# Altium PCB driver_io.PcbDoc (part 2 of 2)
Units mil, origin at the board's own origin, x right, y up, seen from the top; angles counter-clockwise.
Board outline 6000 x 4000 mil, 4 copper layers (Top Layer, Int1 (GND), Int2 (PWR), Bottom Layer), stack 53.912 mil thick; 159 components, 84 nets, 498 pads, 64 vias.
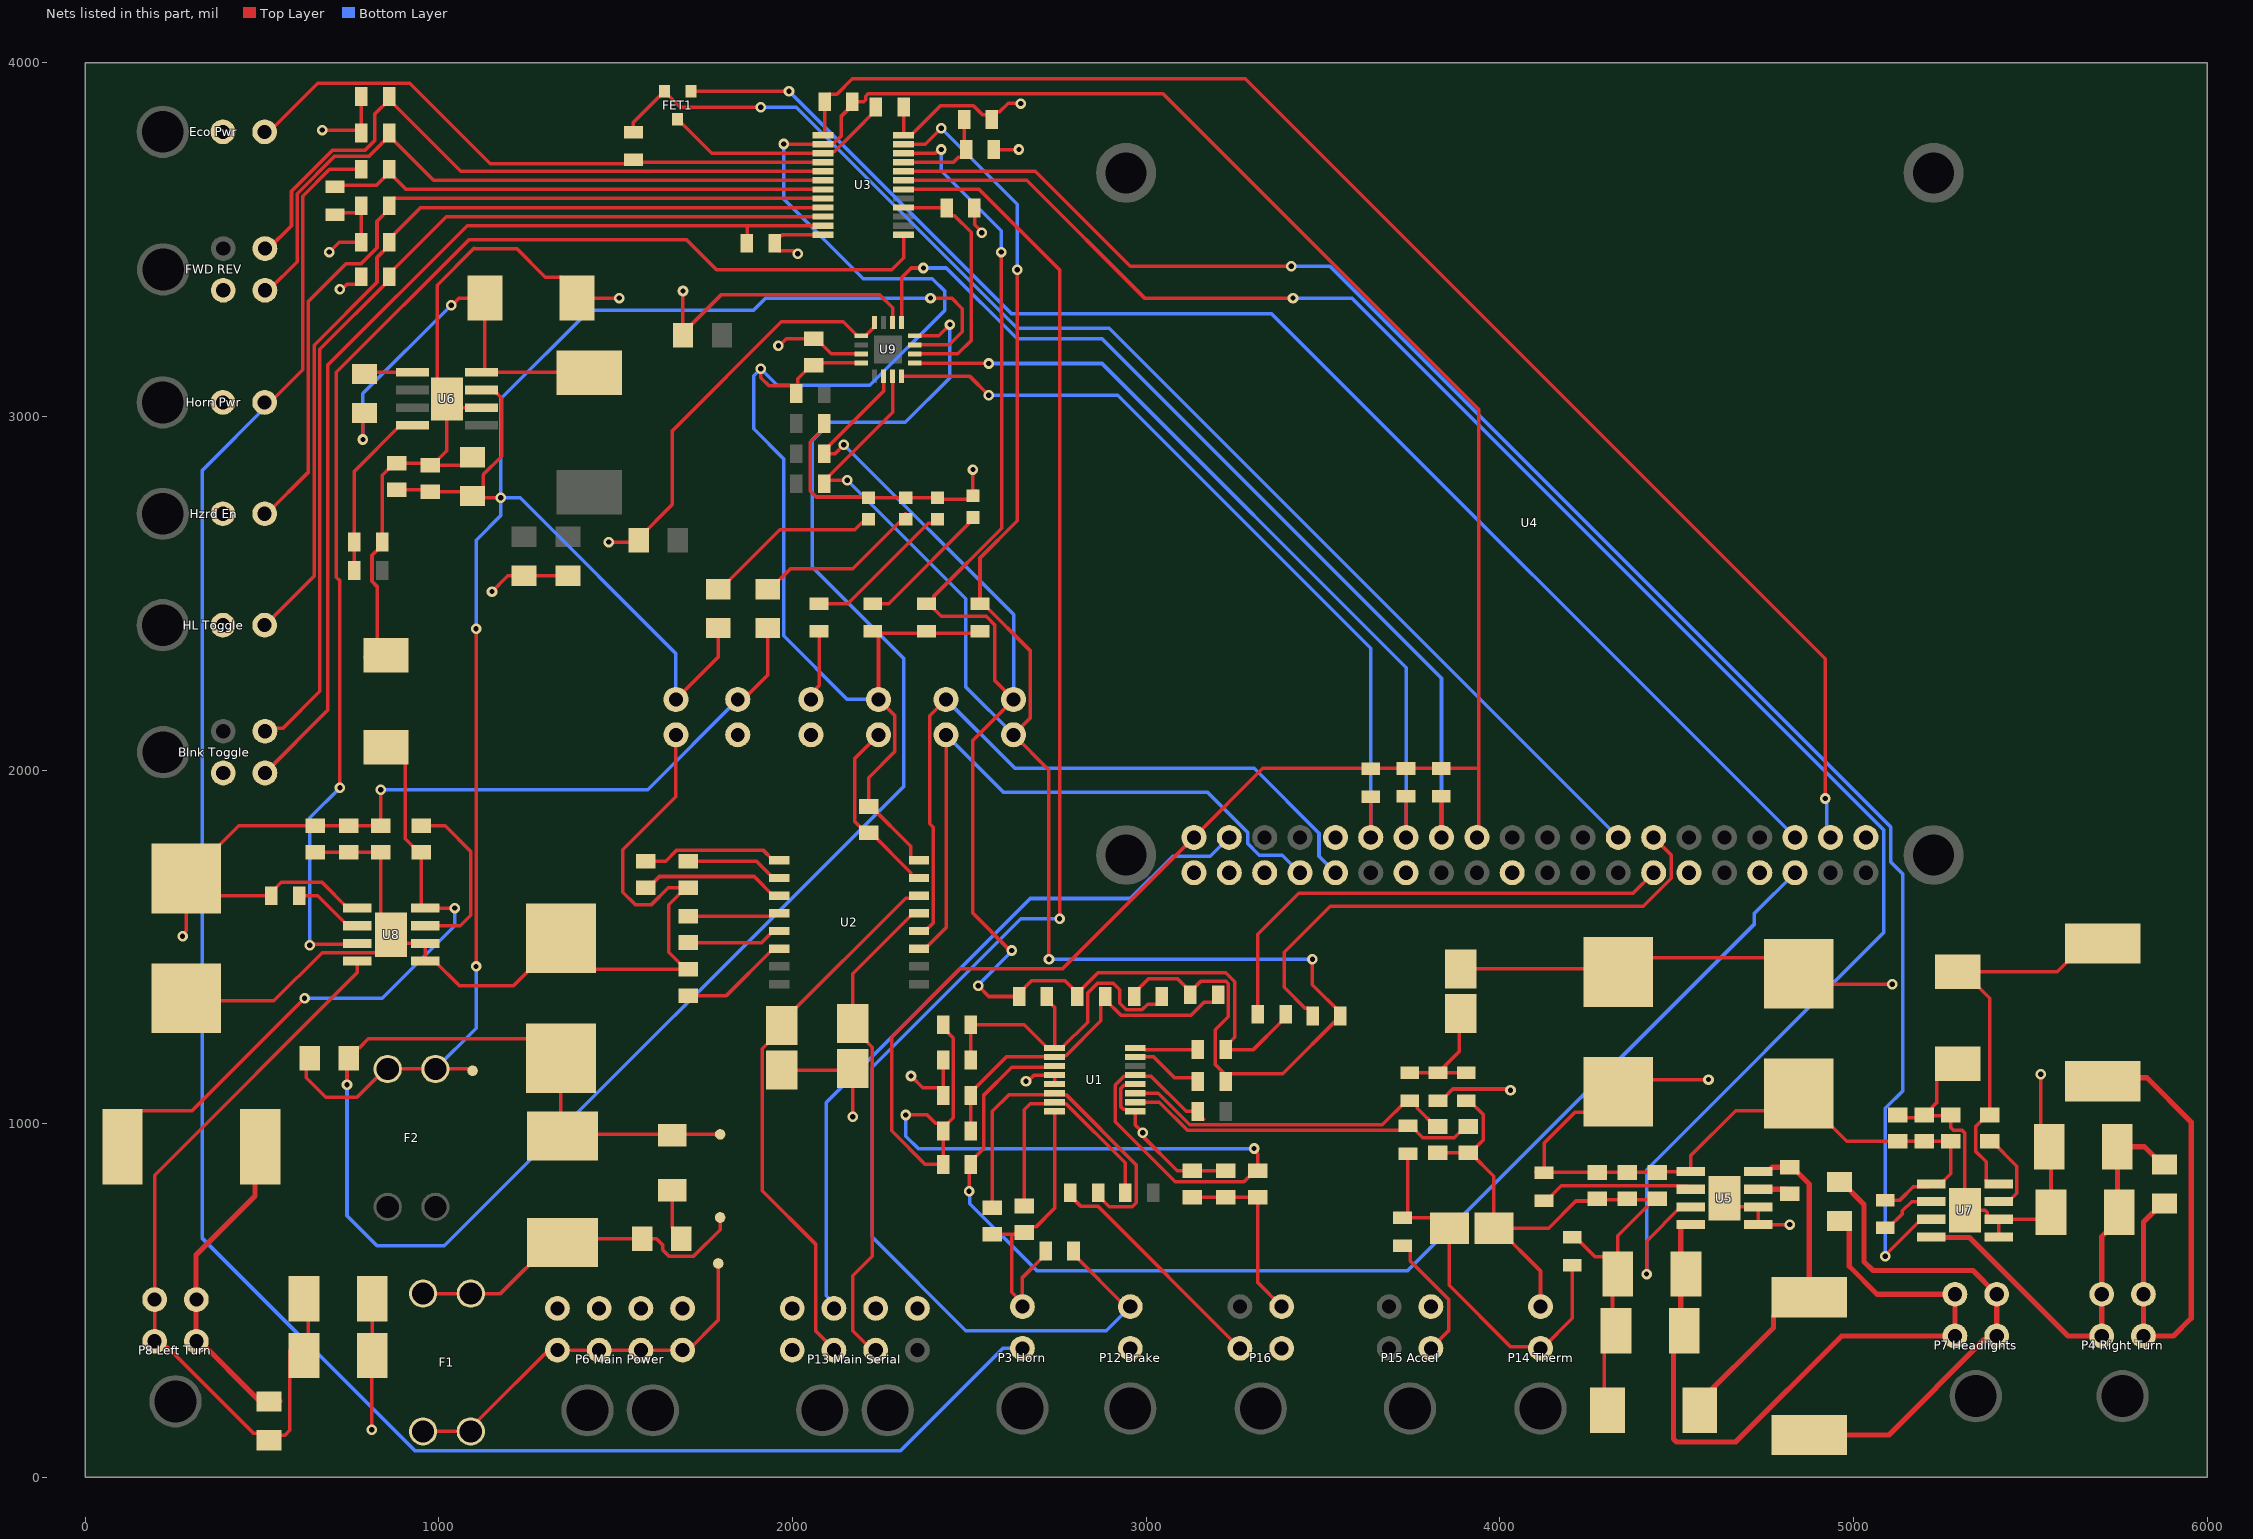
[diagram p4: the nets of this part, all layers, seen from the top]

## Via types
v1: diameter 30, hole 15, Top Layer to Bottom Layer, 64 vias

## Nets (pads, with @x,y where several pads share a name; then routed paths per layer and width w, separated by ;. In a path a pad name is that pad's centre, name@x,y a point inside that pad or via, vN(x,y) a via of type N, cw(c..) or ccw(c..) an arc to the next point about the centre after c; other vN are vias at no path point) (continued)
ADC_RST: R12.2 U1.3 U4.36 | length 3454.9
  Top Layer w10: v1(2499.12,809.12) 2499.12,879.75 R12.2@2504.37,885 2504.37,893.86 2540,929.49 2540,1080 2619.53,1159.53 2736.97,1159.53 U1.3@2740.83,1163.39
  Bottom Layer w10: v1(2499.12,809.12) 2500.89,807.35 2500.89,774.12 2690,585 3740,585 4720,1565 4720,1595 U4.36@4835,1710
BOOT: C15.1 U6.1 | length 137
  Top Layer w10: C15.1@790,3120.12 794.88,3125 U6.1@925,3125
Brk_Sig: P16.2 R13.1 | length 666.8
  Top Layer w10: R13.1@2785.63,805 2785.63,796.14 2814.35,767.43 2862.57,767.43 P16.2@3265,365
Brk_Status: "P12 Brake.2" R29.2 U3.18 | length 4652.6
  Top Layer w10: U3.18@2314.17,3642.2 2527.67,3642.2 2755,3414.87 v1(2755,1580) ; R29.2@2794.37,640 2794.37,631.14 2942.51,483 2955,483
  Bottom Layer w10: v1(2755,1580) 2645,1580 2225,1160 2225,680 2490,415 2887,415 2955,483
Bus_PreShunt: C6.1 L1.2 L2.2 R16.1 TP1.1 U9.12 | length 5729.7
  Top Layer w10: v1(740,1110) 740,1179.88 R16.1@745.12,1185 745.12,1190.91 768.66,1214.45 774.57,1214.45 800.12,1240 1290.71,1240 C6.1@1345,1185.71 L2.2@1345,970.59 ; L2.2@1350,965.59 L2.2@1345,970.59 ; TP1.1@1795,970 1662.24,970 L1.2@1660,967.76 1657.17,970.59 L2.2@1345,970.59 ; U9.12@2345.79,3228.39 2413.39,3228.39 v1(2445,3260)
  Bottom Layer w10: v1(740,1110) 740,740 825,655 1015,655 2315,1955 2315,2315 2055,2575 2055,2932.4 2106.3,2983.7 2318.7,2983.7 2445,3110 v1(2445,3260)
Eco_En: "Eco Pwr.2" R27.2 U3.4 | length 1734.3
  Top Layer w10: 520,3805 657.57,3942.57 917.43,3942.57 1145,3715 1539.37,3715 R27.2@1550,3725.63 ; R27.2@1544.37,3725 1550,3730.63 1561.65,3718.98 U3.4@2085.83,3718.98
Ext_Therm: "P14 Therm.1" D4.1 R41.1 R45.1 TH2.2 | length 1084.7
  Top Layer w10: R41.1@3725,734.37 R41.1@3727.28,734.37 ; R45.1@3740,915.63 3740,747.09 R41.1@3727.28,734.37 ; 4110,370 4030,370 3857.01,542.99 D4.1@3857.01,705 3827.64,734.37 R41.1@3727.28,734.37 ; 4122.5,367.5 4205,450 TH2.2@4205,600.63
F_HL_LED+: "P7 Headlights.1" "P7 Headlights.3" C26.1 L4.2 | length 1435.2
  Top Layer w15: L4.2@4875,120.12 5100.12,120.12 5369.48,389.48 5394.48,389.48 5405,400 5405,518 5338,585 5055,585 5030,610 5030,772.01 4966.89,835.12 C26.1@4960,835.12
F_HL_LED-: "P7 Headlights.2" "P7 Headlights.4" C26.2 R56.2 R57.2 U5.4 | length 2155.2
  Top Layer w15: U5.4@4539.33,715 4519.45,715 4511.46,707.01 4511.46,575 4511.46,415 4490.91,394.45 4490.91,108.79 4499.69,100 4666.75,100 4966.75,400 5287,400 5287,518 5067,518 4987.93,597.07 4987.93,703.84 4966.89,724.88 C26.2@4960,724.88
F_HL_LED_EN: U3.19 U5.3 | length 5323.2
  Top Layer w10: U3.19@2314.17,3667.8 2662.2,3667.8 2995,3335 v1(3415,3335) ; v1(4415,575) 4415,668.03 4511.97,765 U5.3@4539.33,765
  Bottom Layer w10: v1(3415,3335) 3581.28,3335 5085.4,1830.88 5085.4,1540.84 4415,870.44 v1(4415,575)
FL_TS_LED+: "P8 Left Turn.1" "P8 Left Turn.3" C38.1 L6.2 | length 818.8
  Top Layer w15: L6.2@479.88,845 479.88,795.79 313,628.91 313,513 313,395 313.86,395 C38.1@488.31,220.55 ; C38.1@497.88,215.12 C38.1@550,215.12
FL_TS_LED-: "P8 Left Turn.2" "P8 Left Turn.4" C38.2 R62.2 R63.2 U8.4 | length 2241.8
  Top Layer w10: 190,495 196,501 ; C38.2@520,104.88 534.69,119.58 564.58,119.58 578.54,133.54 R62.2@578.54,360 ; C38.2@526.89,119.88 522.2,124.58 475.42,124.58 230.86,369.14 228.09,369.14 212.24,385 196,385 196,501 ; R62.2@618.54,345 630,356.46 630,510 625,505 R63.2@618.54,505 ; U8.4@769.33,1460 769.33,1428 196,854.67 196,503 196,501
FL_TS_LED_EN: U3.13 U8.3 | length 3669.7
  Top Layer w10: v1(635,1505) 637.5,1507.5 766.83,1507.5 U8.3@769.33,1510 ; v1(720,1950) 720,2535.21 710,2545.21 710,3125 1085,3500 1700,3500 1785,3415 2280,3415 2314.17,3449.17 U3.13@2314.17,3514.25
  Bottom Layer w10: v1(635,1505) 635,1865 v1(720,1950)
FR_TS_LED+: "P4 Right Turn.1" "P4 Right Turn.3" C32.1 L5.2 | length 1416.3
  Top Layer w15: L5.2@5705,1130.12 5829.88,1130.12 5955,1005 5955,450 5905,400 5820,400 5820,518 5820,721.77 5873.11,774.88 C32.1@5880,774.88
FR_TS_LED-: "P4 Right Turn.2" "P4 Right Turn.4" C32.2 R59.2 R61.2 U7.4 | length 1311.2
  Top Layer w15: U7.4@5219.33,680 5220.82,678.51 5328.4,678.51 5606.9,400 5702,400 5702,518 5702,681.31 5734.22,713.52 5735.65,713.52 5751.46,729.33 R59.2@5751.46,750 5746.46,755 R61.2@5746.46,935 5823.23,935 5873.11,885.12 C32.2@5880,885.12
FR_TS_LED_EN: U3.20 U7.3 | length 4983.1
  Top Layer w10: U3.20@2314.17,3693.39 2686.61,3693.39 2955,3425 v1(3410,3425) ; v1(5090,625) 5090,628.03 5191.97,730 U7.3@5219.33,730
  Bottom Layer w10: v1(3410,3425) 3519.56,3425 5105.4,1839.16 5105.4,1740.41 5140,1705.81 5140,1093.92 5090,1043.92 v1(5090,625)
Frwd_State: "FWD REV.3" R26.1 U3.6 | length 1924
  Top Layer w10: 518,3357 599,3438 599,3630 705.57,3736.57 802.8,3736.57 R26.1@859.37,3793.14 ; R26.1@859.37,3802 R26.1@859.37,3793.14 ; U3.6@2085.83,3667.8 2077.8,3667.8 2075,3665 2072.2,3667.8 984.72,3667.8 R26.1@859.37,3793.14
GND: 3.3V.2 5V.2 12V.2 "Bus Filt.2" "Bus Filter.2" "MCU Pwr.2" "P3 Horn.2" "P6 Main Power.5" "P6 Main Power.6" "P6 Main Power.7" "P6 Main Power.8" "P13 Main Serial.4" "P13 Main Serial.5" "P13 Main Serial.6" "P14 Therm.2" "P15 Accel.3" C1.2 C2.2 C3.2 C4.2 C5.2 C6.2 C9.2 C10.2 C11.2 C12.2 C13.2 C14.2 C16.2 C17.2 C18.2 C19.2 C20.2 C21.2 C22.2 C23.2 C24.2 C27.2 C28.2 C29.2 C30.2 C33.2 C34.2 C35.2 C36.2 D1.1 D2.1 D3.1@1390.12,3335 D3.2@3890,1437.99 D4.2 D6.1 D7.1 D8.1 FET1.3 P16.3 R1.2 R8.2 R21.2 R22.2 R23.1 R24.2 R25.1 R26.2 R27.1 R28.2 R29.1 R31.2 R42.1 R52.1 R56.1 R57.1 R59.1 R61.1 R62.1 R63.1 TH1.1 TH2.1 U1.4 U1.5 U1.8 U2.15 U3.12 U4.6 U4.9 U4.14 U4.20 U4.25 U4.30 U4.34 U4.39 U5.5 U5.6 U5.9 U6.6 U6.9 U7.5 U7.6 U7.9 U8.5 U8.6 U8.9 U9.3 | length 19069.4
  Top Layer w10: C36.2@292.5,1347.5 533.33,1347.5 669.82,1483.99 824.72,1483.99 865,1524.27 U8.9@865,1535 ; C33.2@650,1767.6 C34.2@745,1767.6 C35.2@835,1767.6 835,1565 U8.9@865,1535 ; v1(670,3810) 772.63,3810 R26.2@780.63,3802 R28.2@780.63,3905 ; v1(690,3465) 718,3493 R23.1@780.63,3493 R25.1@780.63,3588.35 ; R31.2@697.28,3570.63 R31.2@706.14,3570.63 ; R31.2@697.28,3575.63 767.91,3575.63 R25.1@780.63,3588.35 ; v1(720,3360) 725.41,3360 738.84,3373.43 767.91,3373.43 780.63,3386.14 R24.2@780.63,3395 ; R25.1@780.63,3596 R25.1@780.63,3588.35 ; D8.1@789.88,2320 D8.1@810.65,2340.77 ; v1(810,135) 810,343.54 R62.1@811.46,345 R63.1@811.46,505 ; D8.1@850,2325.12 825,2350.12 825,2519.52 810.65,2533.87 810.65,2607.43 839.37,2636.14 R52.1@839.37,2645 839.37,2833.66 873.11,2867.4 C17.2@880,2867.4 C16.2@970,2867.4 ; C18.2@1095,2865.12 1092.28,2862.4 C16.2@975,2862.4 C16.2@970,2867.4 ; v1(1150,2505) 1194.88,2549.88 C20.2@1240,2549.88 C19.2@1365,2549.88 ; U6.6@1155,3030 1150,3025 U6.6@1120.01,3025 1047.5,3025 U6.9@1022.5,3050 ; v1(1510,3335) D3.1@1390.12,3335 1390.12,3349.76 1345.91,3393.98 1301.02,3393.98 1220,3475 1100,3475 1099.14,3475.86 995,3371.72 995,3077.5 U6.9@1022.5,3050 ; R27.1@1550,3804.37 1550,3831.77 1624.88,3906.65 1626.85,3906.65 FET1.3@1637.6,3917.4 ; FET1.3@1637.6,3919.37 FET1.3@1637.6,3917.4 ; 1670,2100 1670,1924.73 1520,1774.73 1520,1655 1555,1620 1601.19,1620 1648.78,1667.6 C9.2@1698.11,1667.6 ; C10.2@1705,1437.4 C10.2@1698.11,1437.4 ; C9.2@1705,1667.6 C9.2@1698.11,1667.6 ; v1(1910,3875) 1681.97,3875 1650.32,3906.65 1648.35,3906.65 FET1.3@1637.6,3917.4 ; v1(1960,3200) 1962.43,3200 1982.43,3220 C14.2@2060,3220 ; D1.1@1970,1152.01 2165,1152.01 D2.1@2170,1157.01 v1(2170,1020) ; v1(2015,3460) 2009.59,3460 2001.16,3468.43 1962.09,3468.43 1950.83,3479.68 1950.83,3500.32 1962.09,3511.57 1968.51,3511.57 1971.18,3514.25 U3.12@2085.83,3514.25 ; C14.2@2066.89,3220 2109.69,3177.2 U9.3@2194.21,3177.2 ; R42.1@2093.74,2980 2093.74,2971.14 2050,2927.4 2050,2789.52 2067.1,2772.43 2213.09,2772.43 2215,2770.51 2315,2770.51 2320,2765.51 2325,2770.51 5V.2@2410,2770.51 2414.49,2766.02 2510,2766.02 ; 3.3V.2@2243,2100 2176.44,2033.44 2176.44,1854.27 2208.11,1822.6 C11.2@2215,1822.6 2221.89,1822.6 2334.29,1710.2 2334.29,1701.81 2341.1,1695 U2.15@2357.83,1695 ; v1(2335,1135) 2368.43,1101.57 2412.91,1101.57 R8.2@2425.63,1088.86 ; R8.2@2425.63,1080 R8.2@2425.63,1088.86 ; R1.2@2425.63,1180 R8.2@2425.63,1088.86 ; 2510,2775.51 2510,2790 ; v1(2510,2850) 2510,2790 ; 2520,2790 2510,2790 ; C2.2@2565,687.6 2620,687.6 ; R21.2@2569.37,3755 v1(2640,3755) ; C1.2@2640,700.71 2626.89,687.6 2620,687.6 ; 2650,483 2650,493.71 ; C1.2@2655,692.6 2670.67,708.27 2688.27,708.27 2740.83,760.83 U1.8@2740.83,1035.43 ; v1(2660,1120) 2665.41,1120 2683.21,1137.8 U1.4@2740.83,1137.8 U1.5@2740.83,1112.2 U1.5@2744.69,1108.35 ; R29.1@2715.63,640 2715.63,631.14 2650,565.51 2650,493.71 ; C4.2@3130,792.6 C3.2@3225,792.6 C5.2@3315,792.6 3315,551 P16.3@3383,483 ; C12.2@3825,917.6 C13.2@3910,917.6 C13.2@3916.89,917.6 ; D3.2@3890,1437.99 4323.7,1437.99 4355,1469.29 4845,1469.29 4919.29,1395 v1(5110,1395) ; TH1.1@3905,1065.63 3913.86,1065.63 3952.56,1026.93 3952.56,953.27 C13.2@3916.89,917.6 ; 4115,487.47 4115,583.62 D4.2@3993.62,705 ; TH2.1@4205,679.37 4213.86,679.37 4269.25,623.98 4295.24,623.98 R57.1@4333.54,585.67 ; C23.2@4289.79,772.8 C23.2@4286.56,776.04 ; D6.1@4294.88,190 4294.88,391.34 4318.54,415 R57.1@4318.54,575 ; C23.2@4298.11,785.2 C21.2@4435.71,785.2 ; C23.2@4298.11,787.6 C23.2@4286.56,776.04 ; R57.1@4333.54,575 R57.1@4333.54,585.67 ; C21.2@4445,787.6 4438.11,787.6 C21.2@4435.71,785.2 ; U5.9@4635,790 4660,765 U5.6@4730.67,765 U5.5@4730.67,715 v1(4820,715) ; C27.2@5125,1017.4 C28.2@5200,1017.4 ; C28.2@5200,1022.4 C29.2@5275,1022.4 ; C28.2@5206.89,1025 5222.56,1040.67 5222.56,1047.56 5236.02,1061.02 5236.02,1125.67 5280.24,1169.88 D7.1@5295,1169.88 ; C29.2@5275,1025 C29.2@5275,1022.4 ; U7.5@5410.67,680 U7.6@5410.67,730 ; v1(5530,1140) 5530,958.54 R61.1@5553.54,935 5558.54,930 R59.1@5558.54,750 5538.54,730 U7.6@5410.67,730 ; U8.9@865,1535 890,1510 U8.6@960.67,1510 U8.5@960.67,1460 988.03,1460 1058.03,1390 1210.71,1390 C6.2@1345,1524.29 1431.89,1437.4 C10.2@1698.11,1437.4 ; C16.2@970,2867.4 986.89,2867.4 1022.5,2903.01 U6.9@1022.5,3050 ; C10.2@1698.11,1437.4 1650,1485.51 1650,1619.49 C9.2@1698.11,1667.6 ; 2620,687.6 2620,523.71 2650,493.71 ; C13.2@3916.89,917.6 3982.99,851.5 D4.2@3982.99,705 D4.2@3993.62,705 ; D4.2@3993.62,705 4137.91,705 4214.61,781.69 4262.2,781.69 4265.16,784.65 4277.95,784.65 C23.2@4286.56,776.04 ; R57.1@4333.54,585.67 4333.54,683.03 C21.2@4435.71,785.2 ; C29.2@5275,1022.4 5275,989.33 5281.95,982.38 5306.6,982.38 5315,973.98 U7.9@5315,755 5372.32,755 5378.18,749.14 5378.18,737.99 5386.17,730 U7.6@5410.67,730
  Bottom Layer w10: v1(1910,3875) 2010,3875 2635,3250 2895,3250 U4.25@4335,1810
GPIO_INT: R18.1 U3.1 U4.37 | length 4148.8
  Top Layer w10: U3.1@2085.83,3795.75 2086.77,3795.75 2090.63,3799.61 R18.1@2090.63,3890 2090.63,3898.86 2103.35,3911.57 2125.44,3911.57 2168.87,3955 3280,3955 4920,2315 v1(4920,1920)
  Bottom Layer w10: v1(4920,1920) 4923.83,1916.17 4923.83,1821.17 U4.37@4935,1810
GPIO_RST: FET1.1 U4.35 | length 3998.2
  Top Layer w10: FET1.1@1721.42,3908.39 1721.42,3918.27 1723.15,3920 v1(1990,3920)
  Bottom Layer w10: v1(1990,3920) 2620,3290 3355,3290 U4.35@4835,1810
HL_Toggle: "HL Toggle.2" R23.2 U3.9 | length 2500.8
  Top Layer w10: 508,2410 647,2549 647,3201.52 824.78,3379.3 824.78,3449.55 859.37,3484.14 R23.2@859.37,3493 859.37,3501.86 948.54,3591.02 U3.9@2085.83,3591.02
Horn_PWR: "Horn Pwr.2" "P3 Horn.1" R30.1 | length 5950.7
  Top Layer w10: 523,3040 615,3132 615,3623.37 690.63,3699 R30.1@780.63,3699
  Bottom Layer w10: 523,3040 330,2847 330,677.22 932.22,75 2305,75 2595,365 2650,365
Horn_Status: R30.2 R31.1 U3.7 | length 1423.2
  Top Layer w10: R31.1@697.28,3654.37 823.6,3654.37 859.37,3690.14 907.31,3642.2 U3.7@2085.83,3642.2
Hzrd_En: "Hzrd En.2" R25.2 U3.8 | length 2279
  Top Layer w10: 513,2725 631,2843 631,3326 737.57,3432.57 780.05,3432.57 824.78,3477.3 824.78,3552.55 859.37,3587.14 R25.2@859.37,3596 859.37,3603.9 872.09,3616.61 U3.8@2085.83,3616.61
I2C_SCL: I2C.2 R2.2 R7.2 R9.1 R34.1 R36.1 R38.1 U3.22 U9.6 | length 5457.8
  Top Layer w10: v1(2145,2920) 2120,2895 R38.1@2089.37,2895 2089.37,2903.86 2257.2,3071.69 U9.6@2257.2,3114.21 ; U3.22@2314.17,3744.57 2404.15,3744.57 2414.59,3755 v1(2420,3755) ; R34.1@2378.33,2471.06 R34.1@2383.86,2471.06 ; v1(2525,1390) 2555,1360 R2.2@2640.63,1360 ; v1(2590,3465) 2590,3285.5 2591,3284.5 2591,2683.73 2399.91,2492.64 2399.91,2483.78 2387.19,2471.06 R34.1@2383.86,2471.06 ; v1(2620,1490) 2615,1490 2510,1595 2510,2085 I2C.2@2625,2200 2571.57,2253.43 2571.57,2410.6 2547.37,2434.8 2420.12,2434.8 R34.1@2383.86,2471.06 ; R2.2@2636.69,1364.92 2676.77,1405 2769.49,1405 R7.2@2805.63,1368.86 ; R7.2@2805.63,1360 R7.2@2805.63,1368.86 ; R36.1@3394.37,1310 3394.37,1301.14 3381.65,1288.43 3303.23,1210 R9.1@3224.37,1210 3224.37,1218.86 3250,1244.49 3250,1401.72 3225,1426.72 2863.49,1426.72 R7.2@2805.63,1368.86
  Bottom Layer w10: v1(2145,2920) 2625,2440 I2C.2@2625,2200 ; v1(2420,3755) 2420,3695 2590,3525 v1(2590,3465) ; v1(2525,1390) 2525,1392.5 2620,1487.5 v1(2620,1490)
I2C_SDA: I2C.1 R3.2 R6.2 R10.1 R33.1 R35.2 R39.1 U3.23 U9.7 | length 6048.4
  Top Layer w10: v1(2155,2820) 2099.37,2820 R39.1@2089.37,2810 2089.37,2818.86 2282.8,3012.28 U9.7@2282.8,3114.21 ; U3.23@2314.17,3770.16 2375.16,3770.16 v1(2420,3815) ; v1(2635,3415) 2635,2705.1 2530,2600.1 R33.1@2530,2471.06 2538.86,2471.06 2671.43,2338.49 2671.43,2146.43 I2C.1@2625,2100 2725,2000 v1(2725,1465) ; R3.2@2965.63,1360 2965.63,1368.86 3007.49,1410.72 3088.14,1410.72 3121.06,1377.8 3128.94,1377.8 3153.72,1402.57 3226.01,1402.57 3232.46,1396.13 3232.46,1302.76 3195.65,1265.96 3195.65,1167.57 3224.37,1138.86 3224.37,1130 3235.94,1141.57 3385.94,1141.57 R35.2@3549.37,1305 3549.37,1313.86 3470,1393.23 v1(3470,1465)
  Bottom Layer w10: v1(2155,2820) 2490,2485 2490,2235 I2C.1@2625,2100 ; v1(2420,3815) 2635,3600 v1(2635,3415) ; v1(2725,1465) v1(3470,1465)
LBlnk_Toggle: "Blnk Toggle.3" R22.1 U3.11 | length 2846.1
  Top Layer w10: 508,1992 685,2169 685,3145 1080,3540 1871.26,3540 2015.63,3540 2020,3540 2085.67,3540 U3.11@2085.83,3539.84 ; R22.1@1871.26,3485 1871.26,3539.39 1871.87,3540
MAINIO_HB: "P13 Main Serial.7" U4.3 | length 2041.8
  Bottom Layer w10: 2117,478 2117,491.86 2095,513.86 2095,1060 2672.07,1637.07 2955.6,1637.07 3074.93,1756.4 3181.4,1756.4 U4.3@3235,1810
NetC1_1: C1.1 R14.2 U1.7 | length 722.5
  Top Layer w10: C1.1@2655,767.4 2655,1040 2672.17,1057.17 2736.97,1057.17 U1.7@2740.83,1061.02 2744.69,1057.17 2773.04,1057.17 2940.63,889.57 R14.2@2940.63,805
NetC2_1: C2.1 R13.2 U1.6 | length 1026.6
  Top Layer w10: C2.1@2565,762.4 2565,1035 2612.76,1082.76 2736.97,1082.76 U1.6@2740.83,1086.61 2744.69,1082.76 2773.04,1082.76 2972.26,883.53 2972.26,776.78 2960.48,765 2895.51,765 2864.37,796.14 R13.2@2864.37,805
NetC7_1: C7.1 U2.3 | length 412.8
  Top Layer w10: C7.1@1585,1667.6 1591.89,1667.6 1623.56,1699.27 1891.17,1699.27 1945.43,1645 U2.3@1962.17,1645
NetC7_2: C7.2 U2.1 | length 402.3
  Top Layer w10: C7.2@1585,1742.4 1641.22,1742.4 1672.88,1774.07 1916.36,1774.07 1945.43,1745 U2.1@1962.17,1745
NetC8_1: C8.1 U2.5 | length 270.6
  Top Layer w10: C8.1@1705,1512.6 1913.03,1512.6 1945.43,1545 U2.5@1962.17,1545
NetC8_2: C8.2 U2.4 | length 260.3
  Top Layer w10: C8.2@1705,1587.4 1937.83,1587.4 1945.43,1595 U2.4@1962.17,1595
NetC9_1: C9.1 U2.2 | length 276.8
  Top Layer w10: C9.1@1705,1742.4 1898.03,1742.4 1945.43,1695 U2.2@1962.17,1695
NetC10_1: C10.1 U2.6 | length 312
  Top Layer w10: C10.1@1705,1362.6 1813.03,1362.6 1945.43,1495 U2.6@1962.17,1495
NetC25_1: C25.1 U5.7 | length 94.5
  Top Layer w15: U5.7@4730.67,815 4807.6,815 C25.1@4820,802.6
NetC25_2: C25.2 D6.2 L4.1 U5.8 | length 970
  Top Layer w15: D6.2@4555.12,190 4555.12,204.76 4773.7,423.35 4773.7,457.8 4825.79,509.88 L4.1@4875,509.88 4875,829.29 4826.89,877.4 C25.2@4820,877.4 4770.43,877.4 4758.03,865 U5.8@4730.67,865
NetC31_1: C31.1 U7.7 | length 243.4
  Top Layer w10: C31.1@5385,950.2 5391.89,950.2 5462.02,880.06 5462.02,803.99 5438.03,780 U7.7@5410.67,780
NetC31_2: C31.2 D7.2 L5.1 U7.8 | length 1143.9
  Top Layer w10: D7.2@5295,1430.12 D7.2@5309.76,1430.12 ; C31.2@5378.11,1015 C31.2@5385,1015 ; U7.8@5410.67,830 5383.31,830 5375.31,837.99 5375.31,892.27 5346.44,921.14 5346.44,993.33 5378.11,1025 C31.2@5385,1025 5385,1354.88 D7.2@5309.76,1430.12 ; L5.1@5705,1509.88 5655.79,1509.88 5576.02,1430.12 D7.2@5309.76,1430.12
NetC37_1: C37.1 U8.7 | length 491.7
  Top Layer w10: C37.1@950,1842.4 1017.6,1842.4 1090,1770 1090,1590 1060,1560 U8.7@960.67,1560
NetC37_2: C37.2 D8.2 L6.1 U8.8 | length 1929.1
  Top Layer w10: L6.1@105.12,935 105.12,984.21 157.2,1036.3 301.3,1036.3 v1(620,1355) ; D8.2@811.44,2026.32 D8.2@850,2064.88 860.79,2064.88 905,2020.67 905,1805.71 C37.2@943.11,1767.6 ; C37.2@956.89,1767.6 C37.2@950,1767.6 950,1617.99 957.99,1610 U8.8@960.67,1610 v1(1045,1610)
  Bottom Layer w10: v1(620,1355) 840,1355 1045,1560 v1(1045,1610)
NetD3_1: D3.1@3890,1312.01 R40.1 R44.1 TH1.2 | length 375.8
  Top Layer w10: R44.1@3745,1144.37 R40.1@3825,1144.37 ; D3.1@3875,1337.01 D3.1@3885,1327.01 ; D3.1@3885,1321.22 3885,1204.37 R40.1@3825,1144.37 ; TH1.2@3905,1144.37 R40.1@3825,1144.37
NetF1_2: F1.2 L2.1 R15.1 TP3.1 | length 998.4
  Top Layer w10: F1.2@955,520 F1.2@1090,520 1174.09,520 1318.5,664.41 L2.1@1350,664.41 1360.59,675 R15.1@1574.88,675 1615,675 1632.68,657.32 1632.68,643.23 1650.36,625.55 1719.87,625.55 1795,700.68 TP3.1@1795,735
NetFET1_2: FET1.2 R19.1 U3.3 | length 660.9
  Top Layer w10: FET1.2@1675,3840.63 1675,3838.66 1685.75,3827.91 1687.72,3827.91 1771.06,3744.57 U3.3@2085.83,3744.57 2089.69,3748.43 2118.04,3748.43 2171.41,3801.8 2171.41,3801.92 2235.63,3866.14 R19.1@2235.63,3875
NetL1_1: L1.1 R15.2 | length 147.6
  Top Layer w10: L1.1@1660,812.24 1660,706.02 1685.12,680.91 R15.2@1685.12,675
NetLED1_1: "Bus Filter.1" R17.2 | length 518.1
  Top Layer w10: R17.2@1785,2516.81 R17.2@1790,2511.81 1795.91,2511.81 1964.09,2680 2175.51,2680 2215,2719.49
NetLED2_1: "MCU Pwr.1" R32.1 | length 396.2
  Top Layer w10: R32.1@2226.67,2471.06 2271.57,2471.06 2520,2719.49
NetLED3_1: 5V.1@2410,2709.49 R50.1 | length 433.8
  Top Layer w10: R50.1@2075,2471.06 2156.06,2471.06 2383.43,2698.43 2398.94,2698.43 5V.1@2410,2709.49
NetLED4_1: 12V.1@2320,2709.49 R54.2 | length 476.6
  Top Layer w10: R54.2@1930,2511.81 1935.91,2511.81 1994.09,2570 2170.51,2570 2306.3,2705.79 12V.1@2306.3,2706.77 ; 12V.1@2306.3,2711.77 2319.02,2724.49 12V.1@2320,2724.49
NetR1_1: R1.1 R2.1 R3.1 R4.1 U1.1 | length 1019.9
  Top Layer w10: R1.1@2504.37,1180 R4.1@2504.37,1280 2654.72,1280 2720.16,1214.57 U1.1@2740.83,1214.57 ; R2.1@2719.37,1360 2719.37,1351.14 2740.83,1329.69 U1.1@2740.83,1214.57 ; R3.1@3044.37,1360 3044.37,1351.14 3031.65,1338.43 3003.9,1338.43 2987.9,1322.43 2943.36,1322.43 2925,1340.78 2925,1379.22 2906.64,1397.57 2862.1,1397.57 2834.35,1369.82 2834.35,1287.42 2761.5,1214.57 U1.1@2740.83,1214.57
NetR5_1: R5.1 R6.1 R7.1 R8.1 U1.2 | length 1010.1
  Top Layer w10: R5.1@2504.37,980 R8.1@2504.37,1080 2504.37,1088.86 2604.49,1188.98 U1.2@2740.83,1188.98 2744.69,1192.83 2773.04,1192.83 2871.65,1291.45 2871.65,1347.28 R7.1@2884.37,1360 2884.37,1351.14 2929.09,1306.43 3126.27,1306.43 3163.27,1343.43 3191.02,1343.43 3203.74,1356.14 R6.1@3203.74,1365
NetR9_2: R9.2 U1.16 | length 178.3
  Top Layer w10: U1.16@2969.17,1214.57 2989.84,1214.57 2994.41,1210 R9.2@3145.63,1210
NetR10_2: R10.2 U1.15 | length 200.9
  Top Layer w10: U1.15@2969.17,1188.98 3021.02,1188.98 3080,1130 R10.2@3145.63,1130
NetR20_2: R20.2 R21.1 U3.21 | length 283.9
  Top Layer w10: U3.21@2314.17,3718.98 2369.43,3718.98 2370.01,3719.55 2455.18,3719.55 2469.05,3733.43 2477.91,3733.43 2490.63,3746.14 R21.1@2490.63,3755 2485,3760.63 R20.2@2485,3840
NetR35_1: R35.1 U4.27 | length 1536.6
  Top Layer w10: R35.1@3470.63,1305 3470.63,1313.86 3457.91,1326.57 3449.06,1326.57 3390,1385.63 3390,1485 3520,1615 4405.62,1615 4485,1694.38 4485,1760 U4.27@4435,1810
NetR36_2: R36.2 U4.28 | length 1417.2
  Top Layer w10: R36.2@3315.63,1310 3315.63,1535.63 3431.68,1651.68 4376.68,1651.68 U4.28@4435,1710
NetR55_2: R55.2 U5.2 | length 425.9
  Top Layer w10: R55.2@4133.86,785.63 4173.23,825 4498.12,825 4500.13,822.99 4531.34,822.99 U5.2@4539.33,815
NetR58_2: R58.2 U7.2 | length 181.4
  Top Layer w10: R58.2@5101.37,717 R58.2@5090,705.63 5098.86,705.63 5137.97,744.74 5137.97,753.6 5164.37,780 U7.2@5219.33,780
NetR60_2: R60.2 U8.2 | length 200.2
  Top Layer w10: R60.2@604.37,1645 656.97,1645 741.97,1560 U8.2@769.33,1560
PH: C15.2 D3.2@1129.88,3335 L3.1 U6.8 | length 1182
  Top Layer w10: v1(785,2935) 785,3004.88 C15.2@790,3009.88 ; v1(1035,3315) 1037.43,3315 1057.43,3335 D3.2@1129.88,3335 1129.88,3132.25 U6.8@1122.64,3125 ; U6.8@1120.01,3125 U6.8@1122.64,3125 ; L3.1@1425,3124.29 1424.29,3125 U6.8@1122.64,3125
  Bottom Layer w10: v1(785,2935) 785,3065 v1(1035,3315)
Pwr_Crit: R43.2 U4.13 U9.9 | length 2345.2
  Top Layer w10: U9.9@2345.79,3151.61 2346.59,3150.81 2554.19,3150.81 v1(2555,3150) ; R43.2@3730,1927.01 3735,1922.01 U4.13@3735,1810
  Bottom Layer w10: v1(2555,3150) 2875,3150 3735,2290 U4.13@3735,1810
Pwr_TC: R47.2 U4.15 U9.13 | length 2707.5
  Top Layer w10: U9.13@2308.39,3265.79 2308.39,3392.97 2335.41,3420 v1(2370,3420) ; U4.15@3835,1810 R47.2@3835,1922.01
  Bottom Layer w10: v1(2370,3420) 2435,3420 2635,3220 2875,3220 3835,2260 U4.15@3835,1810
Pwr_Vld: R48.2 U3.16 U9.10 | length 706.5
  Top Layer w10: U3.16@2314.17,3591.02 2318.98,3591.02 2320,3590 2321.02,3591.02 2434.61,3591.02 R48.2@2435.63,3590 2435.63,3581.14 2448.35,3568.43 2457.2,3568.43 2505,3520.63 2505,3215 2467.2,3177.2 U9.10@2345.79,3177.2
Pwr_Warn: R46.2 U4.11 U9.8 | length 2300.7
  Top Layer w10: U9.8@2308.39,3114.21 2309.47,3114.21 2310.28,3113.41 2501.59,3113.41 v1(2555,3060) ; U4.11@3635,1810 R46.2@3635,1930.43
  Bottom Layer w10: v1(2555,3060) 2920,3060 3635,2345 U4.11@3635,1810
RBlink_Toggle: "Blnk Toggle.4" R24.1 U3.10 | length 2757.4
  Top Layer w10: 508,2110 516,2118 558,2118 663,2223 663,3189.77 859.37,3386.14 R24.1@859.37,3395 859.37,3403.86 1020.94,3565.43 U3.10@2085.83,3565.43
Rev_State: "FWD REV.4" R28.1 U3.5 | length 1935.8
  Top Layer w10: 518,3475 583,3540 583,3636.63 698.95,3752.57 791.05,3752.57 818.85,3780.38 818.85,3855.62 R28.1@859.37,3896.14 ; R28.1@859.37,3905 R28.1@859.37,3896.14 ; U3.5@2085.83,3693.39 1062.13,3693.39 R28.1@859.37,3896.14
TELEM_THERM_0: C12.1 R44.2 U1.11 | length 956.6
  Top Layer w10: U1.11@2969.17,1086.61 3034.17,1086.61 3123.36,997.43 3667.94,997.43 3736.14,1065.63 R44.2@3745,1065.63 3753.86,1065.63 3766.57,1052.91 3766.57,1043.94 3818.11,992.4 C12.1@3825,992.4
TELEM_THERM_1: C13.1 R45.2 U1.10 | length 1006.2
  Top Layer w10: U1.10@2969.17,1061.02 3037.13,1061.02 3116.73,981.43 3718.2,981.43 3731.14,994.37 R45.2@3740,994.37 3748.86,994.37 3782.5,960.73 3871.44,960.73 3903.11,992.4 C13.1@3910,992.4
UART_RXD: U2.12 U4.10 UART.1 | length 2046.9
  Top Layer w10: U2.12@2357.83,1545 2374.57,1545 2397.38,1567.81 2397.38,1838.62 2387.57,1848.43 2387.57,2153.57 UART.1@2434,2200
  Bottom Layer w10: UART.1@2434,2200 2628.81,2005.19 3305.43,2005.19 3488.6,1822.02 3488.6,1756.4 U4.10@3535,1710
UART_RXD_RS232: "P13 Main Serial.2" D2.2 U2.13 | length 1401.4
  Top Layer w10: 2235,360 2225,360 2170,415 2170,570 2225.49,625.49 2225.49,1216.87 2170,1272.36 D2.2@2170,1282.99 2170,1423.9 2341.1,1595 U2.13@2357.83,1595
UART_TXD: U2.11 U4.8 UART.2 | length 1827.2
  Top Layer w10: U2.11@2357.83,1495 2374.57,1495 2434,1554.43 UART.2@2434,2100
  Bottom Layer w10: UART.2@2434,2100 2595.88,1938.12 3172.5,1938.12 3286.9,1823.72 3286.9,1792.48 3319.57,1759.81 3385.19,1759.81 U4.8@3435,1710
UART_TXD_RS232: "P13 Main Serial.3" D1.2 U2.14 | length 1570.9
  Top Layer w10: 2117,360 2117,363 2065,415 2065,660 1914.51,810.49 1914.51,1211.87 1970,1267.36 D1.2@1970,1277.99 1970,1288.62 2319.57,1638.19 2351.02,1638.19 U2.14@2357.83,1645
V-BUS_FILT: "Bus Filt.1" C16.1 C17.1 C18.1 F2.1 R16.2 R17.1 TP4.1 U6.7 U9.11 | length 5983.2
  Top Layer w10: R16.2@634.88,1185 625,1175.12 625,1130 680,1075 768.12,1075 848.12,1155 F2.1@855,1155 F2.1@990,1155 1084.59,1155 1085.76,1153.83 1094.68,1153.83 TP4.1@1095.85,1155 ; C17.1@880,2792.6 970,2792.6 C16.1@975,2787.6 1082.28,2787.6 C18.1@1095,2774.88 ; C18.1@1088.11,2754.88 C18.1@1095,2754.88 ; v1@1105,1445.86 1105,1582.37 1106,1583.37 1106,1986.57 1105,1987.57 v1(1105,2400) ; U6.7@1120.01,3075 1154.08,3075 1177.33,3051.75 1177.33,2887.91 1125.43,2836.02 1125.43,2798.43 1101.89,2774.88 C18.1@1095,2774.88 ; v1(1175,2770) 1099.88,2770 C18.1@1095,2774.88 ; 1670,2200 1790,2320 R17.1@1790,2401.57 R17.1@1785,2396.57 ; U9.11@2345.79,3202.8 2442.8,3202.8 2480,3240 2480,3305 2450,3335 v1(2390,3335)
  Bottom Layer w10: F2.1@855,1155 F2.1@855,1170.86 ; F2.1@990,1155 1105,1270 v1(1105,1445) ; v1(1105,2400) 1105,2650 1175,2720 v1(1175,2770) ; 1670,2200 1670,2330 1230,2770 v1(1175,2770) ; v1(2390,3335) 1923.79,3335 1888.79,3300 1425,3300 1175,3050 v1(1175,2770)
V-POS3.3V: 3.3V.1 C5.1 C11.1 C14.1 R4.2 R5.2 R11.2 R12.1 R18.2 R32.2 R33.2 R34.2 R37.2 R43.1 R46.1 R47.1 U1.13 U2.16 U3.2 U4.1 U4.17 U9.4 | length 12645.8
  Top Layer w10: v1(1910,3135) 1910,3110 1933.43,3086.57 1997.91,3086.57 2010.63,3073.86 R37.2@2010.63,3065 ; v1(1975,3770.57) 1975.41,3770.16 U3.2@2085.83,3770.16 2089.69,3774.02 2118.04,3774.02 2138.28,3794.26 2138.28,3850.05 2169.37,3881.14 R18.2@2169.37,3890 2201.06,3890 2206.91,3895.86 2206.91,3906.13 2213.36,3912.57 3047.43,3912.57 3940,3020 3940,2005 ; R37.2@2015,3073.86 2015,3107.09 2053.11,3145.2 C14.1@2060,3145.2 2066.42,3151.61 U9.4@2194.21,3151.61 ; R32.2@2226.67,2392.32 2230.28,2392.32 R32.2@2235.28,2387.32 ; v1(2320,1025) 2380.63,1025 2404.06,1001.57 2412.91,1001.57 R5.2@2425.63,988.86 ; U2.16@2357.83,1745 2341.1,1745 2334.29,1751.81 2334.29,1785 2221.89,1897.4 C11.1@2215,1897.4 2215,1978.94 2289.43,2053.37 2289.43,2153.57 3.3V.1@2243,2200 2243,2379.61 R32.2@2235.28,2387.32 ; R4.2@2425.63,1280 2425.63,1271.14 2454.35,1242.43 2454.35,1017.57 R5.2@2425.63,988.86 ; R33.2@2530,2392.32 2525,2387.32 R32.2@2235.28,2387.32 ; R11.2@3162.09,1013.43 3158.35,1013.43 3145.63,1026.14 R11.2@3145.63,1035 3112.78,1035 3013.7,1134.07 2972.89,1134.07 U1.13@2969.17,1137.8 2965.32,1133.94 2936.96,1133.94 2912.65,1109.62 2912.65,1005.58 3082.5,835.73 3276.44,835.73 3308.11,867.4 C5.1@3315,867.4 3315,914.59 3305,924.59 v1(3305,930) ; U4.17@3935,1810 3940,1815 3940,1960 3940,1964.68 3940,2005 ; R5.2@2425.63,988.86 R5.2@2425.63,980 2425.63,893.86 2425.81,893.68 2425.81,885.59 2425.63,885.42 R12.1@2425.63,885 2375,885 2280,980 2280,1245 2474,1439 2764,1439 U4.1@3135,1810 3330,2005 3635,2005 3735,2005 3940,2005
  Bottom Layer w10: v1(1975,3770.57) 1975,3615 2200,3390 2395,3390 2430,3355 2430,3300 2218.38,3088.38 1956.62,3088.38 v1(1910,3135) 1890,3115 1890,2965 1975,2880 1975,2380 2155,2200 3.3V.1@2243,2200 ; v1(2320,1025) 2320,965 2355,930 v1(3305,930)
V-POS5V: 5V.1@2052,2200 "Blnk Toggle.1" "Eco Pwr.1" "FWD REV.1" "HL Toggle.1" "Hzrd En.1" "P12 Brake.1" "P13 Main Serial.8" "P15 Accel.1" C3.1 C4.1 P16.1 R19.2 R20.1 R40.2 R41.2 R48.1 R49.2 R50.2 U1.9 U1.12 U3.24 U4.2@3135,1710 U4.4 U9.1 U9.16 | length 3027.8
  Top Layer w10: v1(1480,2645) 1559.88,2645 R49.2@1564.88,2650 1564.88,2655.91 1659.12,2750.14 1659.12,2958.51 1968.27,3267.67 2143.12,3267.67 2182.4,3228.39 U9.1@2194.21,3228.39 2206.02,3228.39 2231.61,3253.98 U9.16@2231.61,3265.79 ; 5V.1@2052,2200 2052,2216.47 2075,2239.47 R50.2@2075,2392.32 ; R19.2@2314.37,3875 2314.37,3795.94 U3.24@2314.17,3795.75 2334.84,3795.75 2418.09,3879 2511.5,3879 2536.88,3853.62 2551.02,3853.62 R20.1@2563.74,3840.91 ; R48.1@2514.37,3590 2515,3589.37 2515,3542.43 2535,3522.43 v1(2535,3520) ; R20.1@2563.74,3840 R20.1@2563.74,3840.91 ; v1(2645,3885) 2643.74,3886.26 2610,3886.26 2585.32,3861.57 2576.46,3861.57 2563.74,3848.86 R20.1@2563.74,3840.91 ; U1.12@2969.17,1112.2 2965.32,1108.35 2936.96,1108.35 2928.65,1100.03 2928.65,1047.61 2935.09,1041.17 2942.77,1041.17 2948.5,1035.43 U1.9@2969.17,1035.43 2969.17,996.6 2990,975.77 v1(2990,975) 2993.83,971.17 2993.83,961.17 3087.6,867.4 C3.1@3225,867.4 ; R41.2@3725,655.63 3733.86,655.63 3746.57,642.91 3746.57,612.14 3855,503.71 3855,415 3805,365 ; R40.2@3825,1065.63 3833.86,1065.63 3866.57,1098.35 4026.65,1098.35 v1(4030,1095)
V-POS12V: 12V.1@1845,2200 "Horn Pwr.1" C21.1 C22.1 C23.1 C24.1 C27.1 C28.1 C29.1 C30.1 C33.1 C34.1 C35.1 C36.1 R53.2 R54.1 R55.1 R58.1 R60.1 U5.1 U7.1 U8.1 U9.14 | length 6015.7
  Top Layer w10: v1(275,1530) 275,1535.41 285,1545.41 C36.1@285,1693.58 ; U8.1@769.33,1610 741.97,1610 669.39,1682.57 554.35,1682.57 525.63,1653.86 R60.1@525.63,1645 333.58,1645 C36.1@285,1693.58 ; v1(835,1945) C35.1@835,1842.4 C34.1@745,1842.4 C33.1@650,1842.4 433.82,1842.4 C36.1@285,1693.58 ; v1(1690,3355) 1690,3236.02 1798.98,3345 2245,3345 2282.8,3307.2 U9.14@2282.8,3265.79 ; 12V.1@1861,2200 1930,2269 R54.1@1930,2401.57 R54.1@1920,2391.57 ; R55.1@4101.89,862.4 4122.56,862.4 C23.1@4275,862.4 C22.1@4360,862.4 4413.03,862.4 4415.63,865 4445,865 U5.1@4539.33,865 4539.33,909.33 4667.28,1037.28 4751.57,1037.28 4845,1130.71 C30.1@4910.51,1065.2 ; R55.1@4125,860.98 4125,945 4212.43,1032.43 4276.72,1032.43 C24.1@4335,1090.71 4345,1080.71 4360,1095.71 4389.29,1125 v1(4590,1125) ; C30.1@4845,1085.71 4980.51,950.2 C27.1@5125,950.2 C28.1@5200,950.2 C29.1@5275,950.2 5275,858.31 5246.69,830 U7.1@5219.33,830 5211.34,822.01 5169.21,822.01 5131.57,784.37 R58.1@5090,784.37 R58.1@5094.37,780
  Bottom Layer w10: v1(835,1945) 1590,1945 12V.1@1845,2200
V-RAW_MAIN: "P6 Main Power.1" "P6 Main Power.2" "P6 Main Power.3" "P6 Main Power.4" F1.1 TP2.1 | length 1148.8
  Top Layer w10: F1.1@955,130 F1.1@1090,130 1090,140 1340,390 ; 1335,360 1453,360 1571,360 1705,360 1790,445 TP2.1@1790,605
VSENSE: R51.1 R52.2 U6.4 | length 498
  Top Layer w10: R51.1@760.63,2565 R52.2@760.63,2645 760.63,2844.7 890.93,2975 U6.4@925,2975
pads on no net: "Blnk Toggle.2" "Blnk Toggle.5" "Eco Pwr.3" "FWD REV.2" "FWD REV.5" "HL Toggle.3" "Horn Pwr.3" "Hzrd En.3" "P3 Horn.3" "P4 Right Turn.5" "P6 Main Power.9" "P7 Headlights.5" "P8 Left Turn.5" "P12 Brake.3" "P13 Main Serial.1" "P13 Main Serial.9" "P14 Therm.3" "P15 Accel.4" "P15 Accel.5" P16.4 P16.5 U2.7 U2.8 U2.9 U2.10 U3.14 U3.15 U3.17 U4.2@2943.27,1760 U4.2@2943.27,3689.13 U4.2@5226.73,1760 U4.2@5226.73,3689.13 U4.5 U4.7 U4.12 U4.16 U4.18 U4.19 U4.21 U4.22 U4.23 U4.24 U4.26 U4.29 U4.31 U4.32 U4.33 U4.40 U6.2 U6.3 U6.5 U9.17

## Polygon pours and split planes (outlines as drawn)
GND on Int1 (GND) (split plane): 5399.9,1615 5400.29,1611.08 5401.43,1607.31 5403.29,1603.83 5405.79,1600.79 5408.83,1598.29 5412.31,1596.43 5416.08,1595.29 5420,1594.9 5979.9,1594.9 5979.9,20.1 20.1,20.1 20.1,3979.9 5399.9,3979.9
V-POS5V on Int2 (PWR) (split plane): 5399.9,1615 5400.29,1611.08 5401.43,1607.31 5403.29,1603.83 5405.79,1600.79 5408.83,1598.29 5412.31,1596.43 5416.08,1595.29 5420,1594.9 5979.9,1594.9 5979.9,532.11 5787.89,340.1 4800.1,340.1 4800.1,1055 4799.71,1056.95 4798.6,1058.6 4608.6,1248.6 4606.95,1249.71 4605,1250.1 4500,1250.1 4498.05,1249.71 4496.4,1248.6 4326.4,1078.6 4325.29,1076.95 4324.9,1075 4324.9,537.11 4107.89,320.1 525,320.1 523.05,319.71 521.4,318.6 515.1,312.31 515.1,1625 514.71,1626.95 513.6,1628.6 363.6,1778.6 361.95,1779.71 360,1780.1 202.11,1780.1 110.1,1872.11 110.1,2772.89 147.11,2809.9 525,2809.9 526.95,2810.29 528.6,2811.4 598.6,2881.4 599.71,2883.05 600.1,2885 600.1,3145 599.71,3146.95 598.6,3148.6 538.6,3208.6 536.95,3209.71 535,3210.1 20.1,3210.1 20.1,3979.9 5399.9,3979.9
V-POS12V on Int2 (PWR) (split plane): 589.9,3142.89 589.9,2887.11 522.89,2820.1 145,2820.1 143.05,2819.71 141.4,2818.6 101.4,2778.6 100.29,2776.95 99.9,2775 99.9,1870 100.29,1868.05 101.4,1866.4 196.4,1771.4 198.05,1770.29 200,1769.9 357.89,1769.9 504.9,1622.89 504.9,300 505.29,298.05 506.4,296.4 508.05,295.29 510,294.9 511.95,295.29 513.6,296.4 527.11,309.9 4110,309.9 4111.95,310.29 4113.6,311.4 4333.6,531.4 4334.71,533.05 4335.1,535 4335.1,1072.89 4502.11,1239.9 4602.89,1239.9 4789.9,1052.89 4789.9,330 4790.29,328.05 4791.4,326.4 4793.05,325.29 4795,324.9 4796.95,325.29 4798.6,326.4 4802.11,329.9 5790,329.9 5791.95,330.29 5793.6,331.4 5979.9,517.69 5979.9,20.1 20.1,20.1 20.1,3199.9 532.89,3199.9
V-POS12V on Int2 (PWR) (split plane): 1899.9,3262.89 1899.9,2132.11 1827.89,2060.1 1787.11,2060.1 1735.1,2112.11 1735.1,2905 1734.71,2906.95 1733.6,2908.6 1570.1,3072.11 1570.1,3399.9 1762.89,3399.9

## Other copper
Int2 (PWR) (plane layer: these items are gaps in the copper):
  lines w10: 0,3205 535,3205 595,3145 595,2885 525,2815 145,2815 105,2775 105,1870 200,1775 360,1775 510,1625 510,300 525,315 4110,315 4330,535 4330,1075 4500,1245 4605,1245 4795,1055 4795,330 4800,335 5790,335 5985,530 ; 1565,3070 1565,3405 1765,3405 1905,3265 1905,2130 1830,2055 1785,2055 1730,2110 1730,2905 1565,3070

## Silkscreen, mask and mechanical layers (free items; w line width, h text height)
Top Overlay:
  drawing of 21 lines, arcs and shapes, not listed
  text "Driver IO Rev. B / O. D'Souza / M. Farah" at 1155,2245 h50
Mechanical 4:
  lines w10: 0,0 6000,0 ; 0,0 0,3995 5415,3995 5420,3990 5420,1615 5990,1615 5995,1610 5995,5 6000,0 ; 0,0 6000,0